# Altium PCB ATM1099C-0627-ssy-1.brd.PcbDoc (part 2 of 4) (continued)
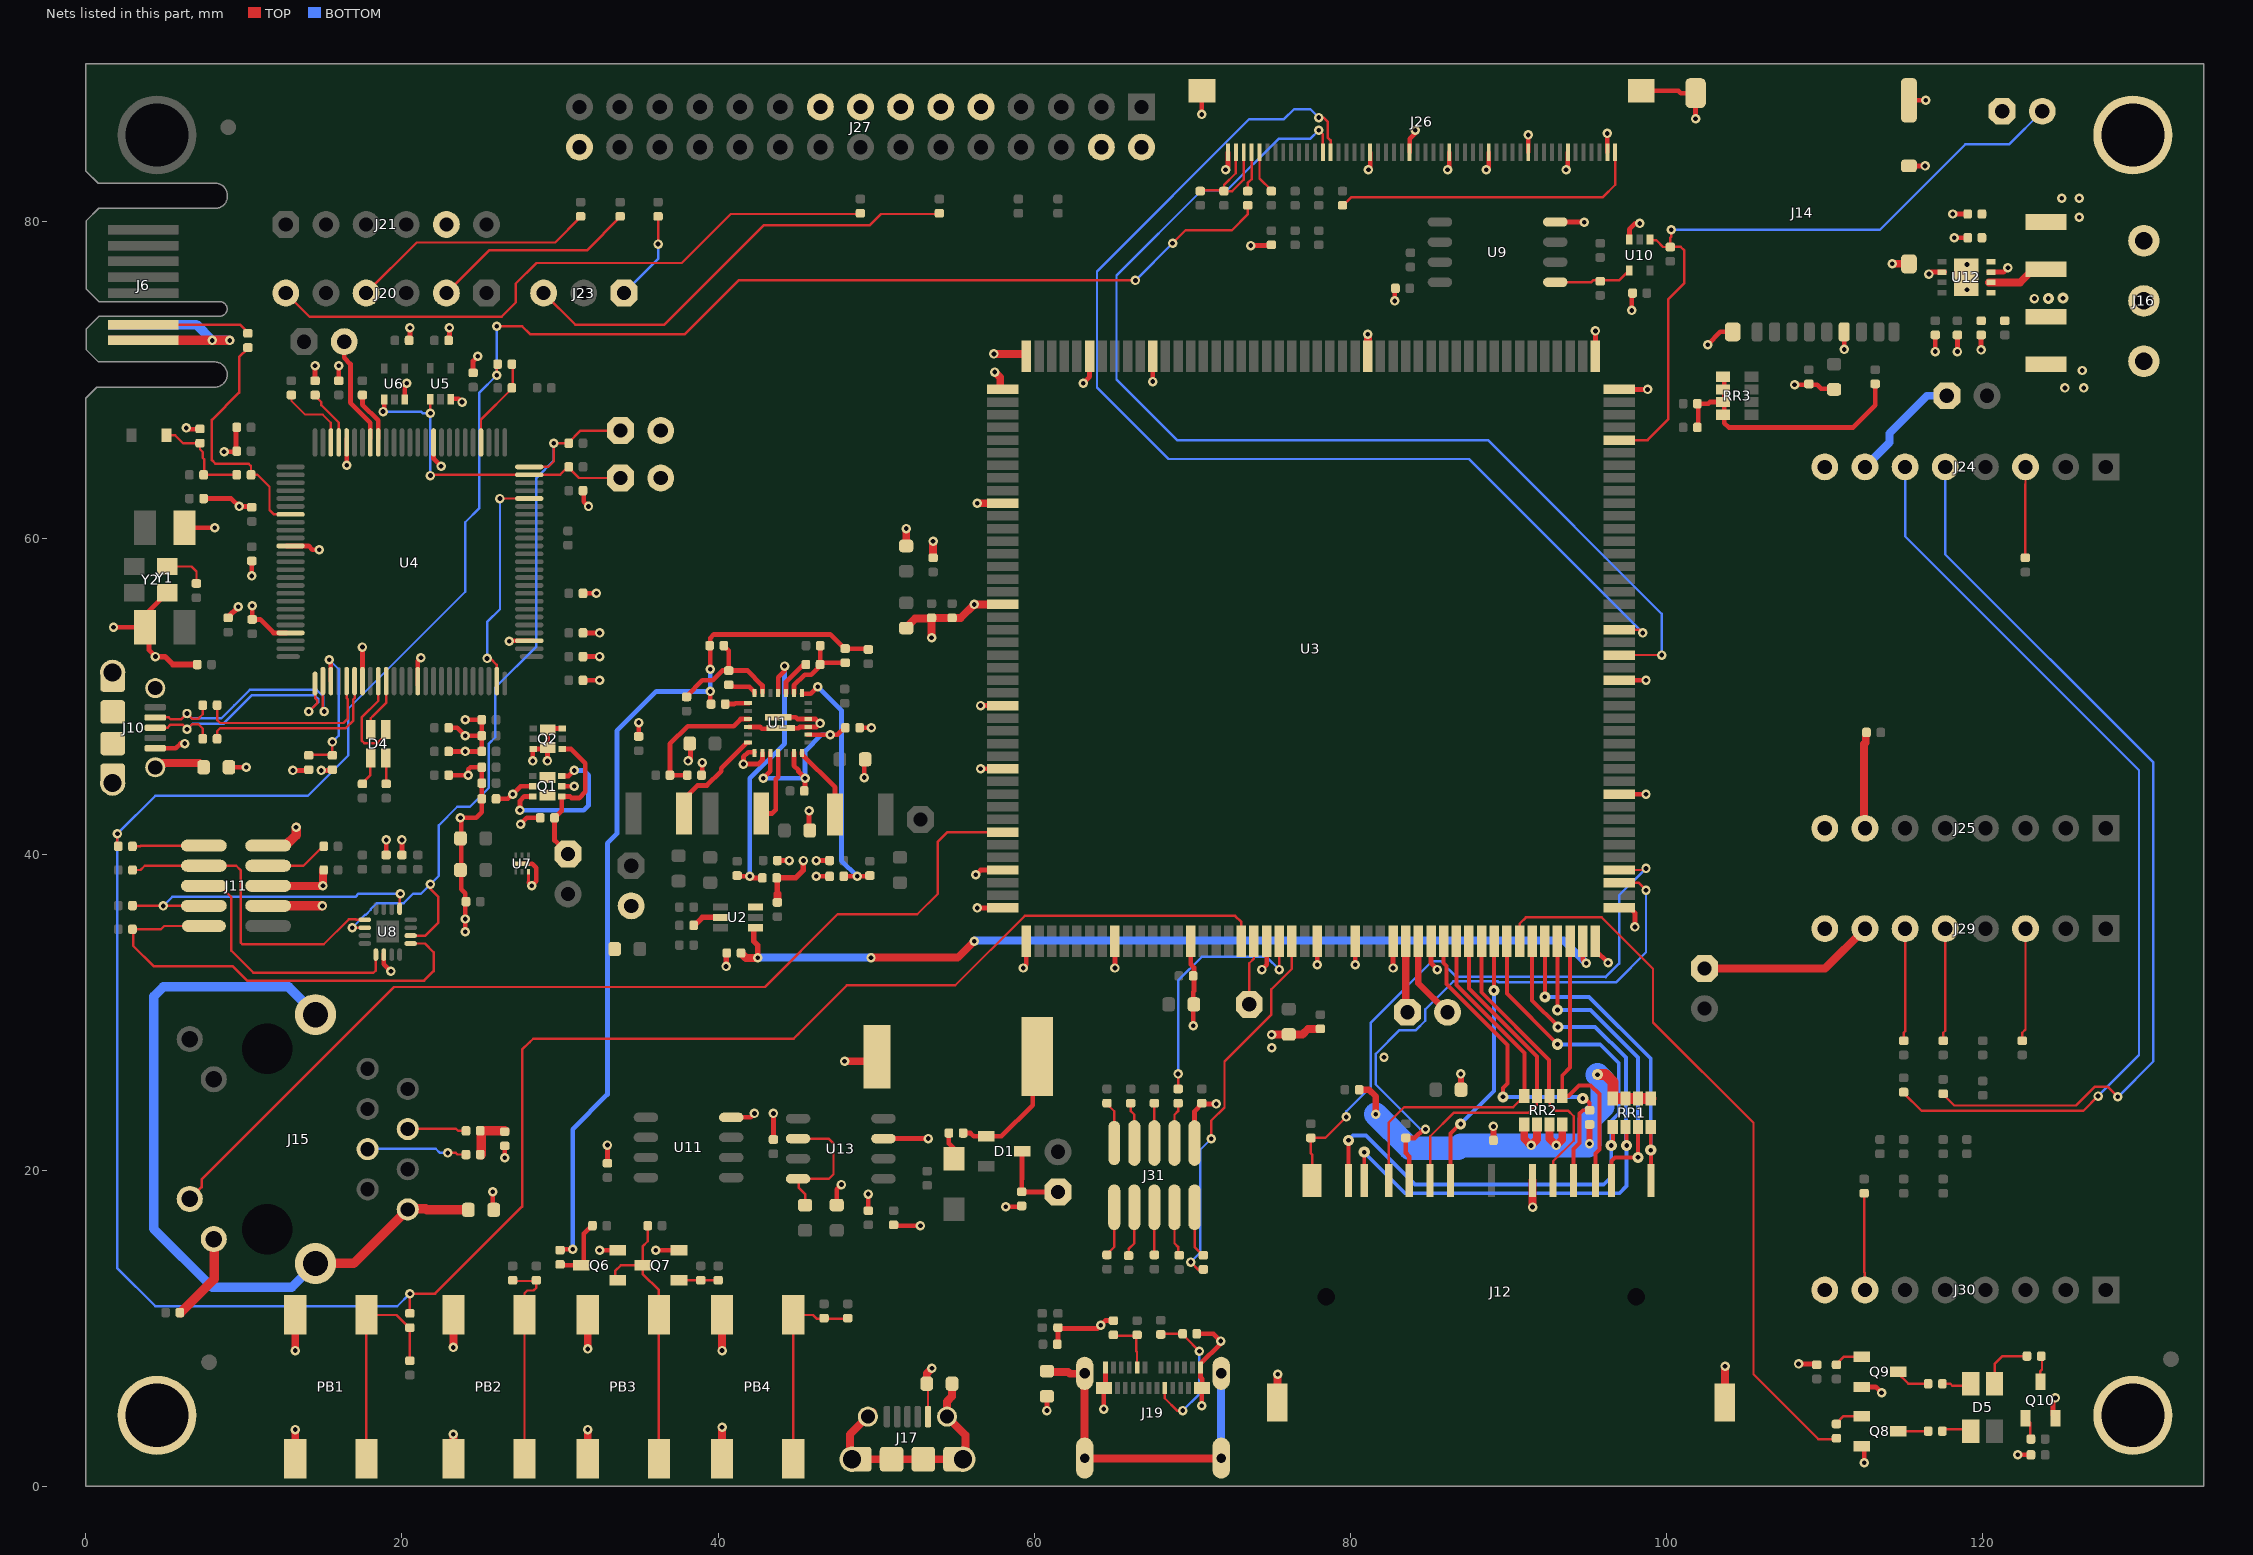
[diagram p4: the nets of this part, all layers, seen from the top]
## Part data (continued)
L1 L2 L5 L7 L9 L10 L11 L12 L13: library part IND1453, "FERRITE 180R 1.5A SMD 0603", Manufacturer 1="Murata Electronics North America", Manufacturer Part Number 1=BLM18PG181SN1D, Operating Temperature="-55C to +125C", Package=0603, Saturation Current=1.5A, Supplier Part Number 1=490-5263-1-ND, Test Frequency=100MHz, Category=Inductor, ComponentLink1Description="SVN Datasheet", ComponentLink1URL=https://chn-vm-apps.microchip.com/mchprepo/parts/Datasheets/ENFA0003.pdf, ComponentLink2Description="Local Datasheet", ComponentLink2URL=C:\ALTIUM_WORK\00001_MCHP-CDB\Datasheets\ENFA0003.pdf, ComponentLink3Description="Open Symbol", ComponentLink3URL="C:\ALTIUM_WORK\00001_MCHP-CDB\Library\LibraryRefs\Ferrite Bead.SchLib", ComponentLink4Description="Open Footprint", ComponentLink4URL=C:\ALTIUM_WORK\00001_MCHP-CDB\Library\Footprints\IND_C_0603.PcbLib, ComponentLink5Description="Open Footprint 2", ComponentLink6Description="Open Footprint 3", ComponentLink7Description="Open Footprint 4", DCR=0.09R, Description_="FERRITE 180R 1.5A SMD 0603", Dev Tools Status=Design, MCHP-ID=IND1453, Owner="Dragos Danaila", Populated=YES, Quantity Override=1, Revision=A, Status="MCL Design", Supplier 1=Digi-Key, Symbol="Ferrite Bead", Type="Ferrite Bead"
L3 L6 L8: library part IND1454, Manufacturer 1="Taiyo Yuden", Manufacturer Part Number 1=BRL3225T1R0M, Operating Temperature="-40C to +105C", Package=1210, RMS Current=2.2A, Saturation Current=2.4A, Supplier Part Number 1=587-2164-1-ND, Test Frequency=100kHz, Category=Inductor, ComponentLink1Description="SVN Datasheet", ComponentLink1URL=https://chn-vm-apps.microchip.com/mchprepo/parts/Datasheets/wound07_e.pdf, ComponentLink2Description="Local Datasheet", ComponentLink2URL=C:\ALTIUM_WORK\00001_MCHP-CDB\Datasheets\wound07_e.pdf, ComponentLink3Description="Open Symbol", ComponentLink3URL=C:\ALTIUM_WORK\00001_MCHP-CDB\Library\LibraryRefs\Inductor.SchLib, ComponentLink4Description="Open Footprint", ComponentLink4URL=C:\ALTIUM_WORK\00001_MCHP-CDB\Library\Footprints\IND_C_1210.PcbLib, ComponentLink5Description="Open Footprint 2", ComponentLink6Description="Open Footprint 3", ComponentLink7Description="Open Footprint 4", DCR=0.0516R, Description_="INDUCTOR 1uH 2.2A 20% SMD 1210", Dev Tools Status=Design, MCHP-ID=IND1454, Owner="Dragos Danaila", Populated=YES, Quantity Override=1, Revision=A, Status="MCL Design", Supplier 1=Digi-Key, Symbol=Inductor, Type=Inductor
LABEL1: library part 08-00126, Category=Label, ComponentLink1Description="SVN Datasheet", ComponentLink1URL=https://chn-vm-apps.microchip.com/mchprepo/parts/Datasheets/08-00126R6.pdf, ComponentLink2Description="Local Datasheet", ComponentLink2URL=C:\ALTIUM_WORK\00001_MCHP-CDB\Datasheets\08-00126R6.pdf, ComponentLink3Description="Open Symbol", ComponentLink3URL=C:\ALTIUM_WORK\00001_MCHP-CDB\Library\LibraryRefs\LABEL_Need_Help_Large.SchLib, ComponentLink4Description="Open Footprint", ComponentLink4URL=C:\ALTIUM_WORK\00001_MCHP-CDB\Library\Footprints\LABEL_Need_Help_Large.PcbLib, ComponentLink5Description="Open Footprint 2", ComponentLink6Description="Open Footprint 3", ComponentLink7Description="Open Footprint 4", Description_="LABEL, NEED HELP WITH ASSY/SERIAL", Dev Tools Status=Production, MCHP-ID=08-00126, Populated=MECH, Quantity Override=1, Revision=6, Status="MCL Design", Symbol=LABEL_Need_Help_Large, Type=Large
PAD1 PAD2 PAD3 PAD4: library part MISC1052, Manufacturer 1="3M                                                                               3M", Manufacturer Part Number 1=SJ61A2, Supplier Part Number 1=SJ5748-0-ND, Category=Hardware, ComponentLink1Description="SVN Datasheet", ComponentLink1URL=https://chn-vm-apps.microchip.com/mchprepo/parts/Datasheets/SJ61A2.pdf, ComponentLink2Description="Local Datasheet", ComponentLink2URL=C:\ALTIUM_WORK\00001_MCHP-CDB\Datasheets\SJ61A2.pdf, ComponentLink3Description="Open Symbol", ComponentLink3URL="C:\ALTIUM_WORK\00001_MCHP-CDB\Library\LibraryRefs\RUBBER PAD CYLINDRICAL.SchLib", ComponentLink4Description="Open Footprint", ComponentLink4URL=C:\ALTIUM_WORK\00001_MCHP-CDB\Library\Footprints\BUMP_3M_SJ61A2_CYLINDRICAL_BLACK_D9.53H5.97.PcbLib, ComponentLink5Description="Open Footprint 2", ComponentLink6Description="Open Footprint 3", ComponentLink7Description="Open Footprint 4", Description_="MECH HW RUBBER PAD CYLINDRICAL D9.53H5.97", Dev Tools Status=Production, MCHP-ID=MISC1052, Owner="Mark Loper", Populated=MECH, Quantity Override=1, Revision=1, Status="MCL Design", Supplier 1=Digi-Key, Symbol="RUBBER PAD CYLINDRICAL", Type="Rubber Pad"
PB1 PB2 PB3 PB4: library part SWITCH0003, "Switch", Current=50mA, Manufacturer 1=E-Switch, Manufacturer 4=OMRON, Manufacturer 8="Switech Electronics Co. Ltd", Manufacturer Part Number 1=TL3301NF260QG/TR, Manufacturer Part Number 2=TL3301NF260QG, Manufacturer Part Number 3=TL3301NF160QG/TR, Manufacturer Part Number 4=B3S-1000P, Manufacturer Part Number 5=B3S-1000, Manufacturer Part Number 6=B3S-1002P, Manufacturer Part Number 7=B3S-1002, Manufacturer Part Number 8=TS2A-043C-G9, Operating Temperature="-20C to +70C", Supplier Part Number 1=EG1868CT-ND, Voltage=12V, Category=Switch, ComponentLink1Description="SVN Datasheet", ComponentLink1URL=https://chn-vm-apps.microchip.com/mchprepo/parts/Datasheets/TL3301.pdf, ComponentLink2Description="Local Datasheet", ComponentLink2URL=C:\ALTIUM_WORK\00001_MCHP-CDB\Datasheets\TL3301.pdf, ComponentLink3Description="Open Symbol", ComponentLink3URL="C:\ALTIUM_WORK\00001_MCHP-CDB\Library\LibraryRefs\Switch 4 Pin.SchLib", ComponentLink4Description="Open Footprint", ComponentLink4URL=C:\ALTIUM_WORK\00001_MCHP-CDB\Library\Footprints\SW_SMD_6mmX6mm_TL3301.PcbLib, ComponentLink5Description="Open Footprint 2", ComponentLink6Description="Open Footprint 3", ComponentLink7Description="Open Footprint 4", Description_="SWITCH TACT SPST 12V 50mA TL3301NF160QG/TR SMD", Dev Tools Status=Production, Manufacturer 2=E-Switch, Manufacturer 3=E-Switch, Manufacturer 5=OMRON, Manufacturer 6=OMRON, Manufacturer 7=OMRON, MCHP-ID=SWITCH0003, Populated=Yes, Quantity Override=1, Revision=2, Status="MCL Design", Supplier 1=Digi-Key, Supplier 2=Digi-Key, Supplier 3=Digi-Key, Supplier 4=Digi-Key, Supplier 5=Digi-Key, Supplier 6=Digi-Key, Supplier 7=Digi-Key, Supplier 8=Raynen, Supplier Part Number 2=EG1868TR-ND, Supplier Part Number 3=EG1867CT-ND, Supplier Part Number 4=SW836CT-ND, Supplier Part Number 5=SW415-ND, Supplier Part Number 6=SW837CT-ND, Supplier Part Number 7=SW416-ND, Supplier Part Number 8=SWIT00025C01, Symbol="Switch 4 Pin", Type=Tactile
Q1 Q2: library part TRA1196, "Dual P-Channel MOSFET", Current=3.8A, Drain to Source Voltage=20V, Gate to Source Voltage=900mV, Manufacturer 1="Diodes Incorporated", Manufacturer Part Number 1=DMP2160UFDB-7, Operating Temperature="-55C to +150C", Package=U-DFN2020-6, Power=1.4W, Supplier Part Number 1=DMP2160UFDB-7DI-ND, Category=Transistor, ComponentLink1Description="SVN Datasheet", ComponentLink1URL=https://chn-vm-apps.microchip.com/mchprepo/parts/Datasheets/ds31643.pdf, ComponentLink2Description="Local Datasheet", ComponentLink2URL=C:\ALTIUM_WORK\00001_MCHP-CDB\Datasheets\ds31643.pdf, ComponentLink3Description="Open Symbol", ComponentLink3URL="C:\ALTIUM_WORK\00001_MCHP-CDB\Library\LibraryRefs\Transistor U-DFN2020-6-SGDSGD.SchLib", ComponentLink4Description="Open Footprint", ComponentLink4URL=C:\ALTIUM_WORK\00001_MCHP-CDB\Library\Footprints\U-DFN2020-6_2.0x2.0.PcbLib, ComponentLink5Description="Open Footprint 2", ComponentLink6Description="Open Footprint 3", ComponentLink7Description="Open Footprint 4", Description_="TRANS FET DUAL P+P DMP2160 20V 3.8A 0.07ohm@2.8A&4.5V 1.4W U-DFN2020-6", Dev Tools Status=Design, MCHP-ID=TRA1196, Owner="Dragos Danaila", Populated=YES, Quantity Override=1, Revision=1, Status="MCL Design", Supplier 1=Digi-Key, Symbol="Transistor U-DFN2020-6-SGDSGD", Voltage=20V
Q6 Q7 Q8 Q9 Q10: library part TRA1147, "Transistor MOS", Current=220mA, Drain to Source Voltage=50V, Gate to Source Voltage=1.3V, Manufacturer 1=Fairchild, Manufacturer Part Number 1=BSS138, Operating Temperature="-55C to +150C", Package=SOT-23-3, Power=360mW, Supplier Part Number 1=9845330, Category=Transistor, ComponentLink1Description="SVN Datasheet", ComponentLink1URL=https://chn-vm-apps.microchip.com/mchprepo/parts/Datasheets/2163920.pdf, ComponentLink2Description="Local Datasheet", ComponentLink2URL=C:\ALTIUM_WORK\00001_MCHP-CDB\Datasheets\2163920.pdf, ComponentLink3Description="Open Symbol", ComponentLink3URL="C:\ALTIUM_WORK\00001_MCHP-CDB\Library\LibraryRefs\Transistor MOS-N GSD.SchLib", ComponentLink4Description="Open Footprint", ComponentLink4URL=C:\ALTIUM_WORK\00001_MCHP-CDB\Library\Footprints\SOT-23-3.PcbLib, ComponentLink5Description="Open Footprint 2", ComponentLink6Description="Open Footprint 3", ComponentLink7Description="Open Footprint 4", Description_="TRANS FET N-CH BSS138 50V 220mA 360mW SOT-23", Dev Tools Status=Design, MCHP-ID=TRA1147, Owner="Razvan Cristescu", Populated=YES, Quantity Override=1, Revision=A, Status="MCL Design", Supplier 1=Farnell, Symbol="Transistor MOS-N GSD", Type=FET, Voltage=50V
R1 R8 R12 R39 R46 R47 R48 R70 R126 R129 R132: library part RES1011, Manufacturer 1=Panasonic, Manufacturer Part Number 1=ERJ-2RKF1003X, Operating Temperature="-55C to +125C", Package=0402, Power=1/10W, Supplier Part Number 1=P100KLCT-ND, Temperature Coeffcient=100ppm/C, Tolerance=1%, Voltage=50V, Category=Resistor, ComponentLink1Description="SVN Datasheet", ComponentLink1URL=https://chn-vm-apps.microchip.com/mchprepo/parts/Datasheets/AOA0000CE2.pdf, ComponentLink2Description="Local Datasheet", ComponentLink2URL=C:\ALTIUM_WORK\00001_MCHP-CDB\Datasheets\AOA0000CE2.pdf, ComponentLink3Description="Open Symbol", ComponentLink3URL=C:\ALTIUM_WORK\00001_MCHP-CDB\Library\LibraryRefs\Resistor.SchLib, ComponentLink4Description="Open Footprint", ComponentLink4URL=C:\ALTIUM_WORK\00001_MCHP-CDB\Library\Footprints\RES_C_0402.PcbLib, ComponentLink5Description="Open Footprint 2", ComponentLink6Description="Open Footprint 3", ComponentLink7Description="Open Footprint 4", Composition=TKF, Description_="RES TKF 100k 1% 1/10W SMD 0402", Dev Tools Status=Production, MCHP-ID=RES1011, Owner="Tad Ahlvers", Quantity Override=1, Revision=1, Status="MCL Design", Supplier 1=Digi-Key, Symbol=Resistor, Type="RES SMD"
  R1 R8 R39 R46 R47 R48 R70 R129 R132: Populated=YES
  R12 R126: Populated=DNP
R2 R11: library part RSMT1207, Manufacturer 1="Vishay Dale", Manufacturer Part Number 1=CRCW0402309KFKED, Operating Temperature="-55C to +155C", Package=0402, Power=1/16W, Supplier Part Number 1=541-309KLDKR-ND, Temperature Coeffcient=100ppm/C, Tolerance=1%, Voltage=50V, Category=Resistor, ComponentLink1Description="SVN Datasheet", ComponentLink1URL=https://chn-vm-apps.microchip.com/mchprepo/parts/Datasheets/dcrcwe3.pdf, ComponentLink2Description="Local Datasheet", ComponentLink2URL=C:\ALTIUM_WORK\00001_MCHP-CDB\Datasheets\dcrcwe3.pdf, ComponentLink3Description="Open Symbol", ComponentLink3URL=C:\ALTIUM_WORK\00001_MCHP-CDB\Library\LibraryRefs\Resistor.SchLib, ComponentLink4Description="Open Footprint", ComponentLink4URL=C:\ALTIUM_WORK\00001_MCHP-CDB\Library\Footprints\RES_C_0402.PcbLib, ComponentLink5Description="Open Footprint 2", ComponentLink6Description="Open Footprint 3", ComponentLink7Description="Open Footprint 4", Composition=TKF, Description_="RES TKF 309k 1% 1/16W SMD 0402", Dev Tools Status=Design, MCHP-ID=RSMT1207, Owner="Dragos Danaila", Populated=YES, Quantity Override=1, Revision=A, Status="MCL Design", Supplier 1=Digi-Key, Symbol=Resistor, Type="RES SMD"
R3 R7 R10 R13 R15 R16 R18 R26 R28 R32 R34 R38 R53 R54 R56 R57 R58 R59 R60 R62 R63 R77 R120 R121 R127 R128 R133 R137 R138: library part RSMT0439, Manufacturer 1=Vishay, Manufacturer 2=Yageo, Manufacturer Part Number 1=CRCW040210K0JNED, Manufacturer Part Number 2=RC0402JR-0710KL, Operating Temperature="-55C to +155C", Package=0402, Power=1/16W, Supplier Part Number 1=541-10KJCT-ND, Temperature Coeffcient=100ppm/C, Tolerance=5%, Voltage=50V, Category=Resistor, ComponentLink1Description="SVN Datasheet", ComponentLink1URL=https://chn-vm-apps.microchip.com/mchprepo/parts/Datasheets/PYu-RC0402_51_RoHS_L_6.pdf, ComponentLink2Description="Local Datasheet", ComponentLink2URL=C:\ALTIUM_WORK\00001_MCHP-CDB\Datasheets\PYu-RC0402_51_RoHS_L_6.pdf, ComponentLink3Description="Open Symbol", ComponentLink3URL=C:\ALTIUM_WORK\00001_MCHP-CDB\Library\LibraryRefs\Resistor.SchLib, ComponentLink4Description="Open Footprint", ComponentLink4URL=C:\ALTIUM_WORK\00001_MCHP-CDB\Library\Footprints\RES_C_0402.PcbLib, ComponentLink5Description="Open Footprint 2", ComponentLink6Description="Open Footprint 3", ComponentLink7Description="Open Footprint 4", Composition=TKF, Description_="RES TKF 10k 5% 1/16W SMD 0402", Dev Tools Status=Production, MCHP-ID=RSMT0439, Quantity Override=1, Revision=1, Status="MCL Design", Supplier 1=Digi-Key, Supplier 2=Digi-Key, Supplier Part Number 2=311-10KJRCT-ND, Symbol=Resistor, Type="RES SMD"
  R3 R10 R13 R16 R18 R26 R28 R32 R34 R38 R53 R54 R56 R57 R58 R59 R60 R62 R63 R77 R120 R121 R127 R128 R133 R137 R138: Populated=Yes
  R7 R15: Populated=DNP
R4 R20 R23 R24 R30 R31 R35 R51 R72 R73 R119 R134 R135 R136: library part RSMT1038, Manufacturer 1=Yageo, Manufacturer Part Number 1=RC0402JR-07100RL, Operating Temperature="-55C to +155C", Package=0402, Power=1/16W, Supplier Part Number 1=311-100JRCT-ND, Temperature Coeffcient=100ppm/C, Tolerance=5%, Voltage=50V, Category=Resistor, ComponentLink1Description="SVN Datasheet", ComponentLink1URL=https://chn-vm-apps.microchip.com/mchprepo/parts/Datasheets/PYu-RC0402_51_RoHS_L_6.pdf, ComponentLink2Description="Local Datasheet", ComponentLink2URL=C:\ALTIUM_WORK\00001_MCHP-CDB\Datasheets\PYu-RC0402_51_RoHS_L_6.pdf, ComponentLink3Description="Open Symbol", ComponentLink3URL=C:\ALTIUM_WORK\00001_MCHP-CDB\Library\LibraryRefs\Resistor.SchLib, ComponentLink4Description="Open Footprint", ComponentLink4URL=C:\ALTIUM_WORK\00001_MCHP-CDB\Library\Footprints\RES_C_0402.PcbLib, ComponentLink5Description="Open Footprint 2", ComponentLink6Description="Open Footprint 3", ComponentLink7Description="Open Footprint 4", Composition=TKF, Description_="RES TKF 100R 5% 1/16W SMD 0402", Dev Tools Status=Production, MCHP-ID=RSMT1038, Owner="Sompoch Loboonlert", Quantity Override=1, Revision=2, Status="MCL Design", Supplier 1=Digi-Key, Symbol=Resistor, Type="RES SMD"
  R4 R20 R23 R24 R30 R31 R35 R51 R73 R119 R134 R135 R136: Populated=Yes
  R72: Populated=DNP
R5 R14: library part RSMT1208, Manufacturer 1="Vishay Dale", Manufacturer Part Number 1=CRCW040271K5FKED, Operating Temperature="-55C to +155C", Package=0402, Power=1/16W, Supplier Part Number 1=541-71.5KLTR-ND, Temperature Coeffcient=100ppm/C, Tolerance=1%, Voltage=50V, Category=Resistor, ComponentLink1Description="SVN Datasheet", ComponentLink1URL=https://chn-vm-apps.microchip.com/mchprepo/parts/Datasheets/dcrcwe3.pdf, ComponentLink2Description="Local Datasheet", ComponentLink2URL=C:\ALTIUM_WORK\00001_MCHP-CDB\Datasheets\dcrcwe3.pdf, ComponentLink3Description="Open Symbol", ComponentLink3URL=C:\ALTIUM_WORK\00001_MCHP-CDB\Library\LibraryRefs\Resistor.SchLib, ComponentLink4Description="Open Footprint", ComponentLink4URL=C:\ALTIUM_WORK\00001_MCHP-CDB\Library\Footprints\RES_C_0402.PcbLib, ComponentLink5Description="Open Footprint 2", ComponentLink6Description="Open Footprint 3", ComponentLink7Description="Open Footprint 4", Composition=TKF, Description_="RES TKF 71.5k 1% 1/16W SMD 0402", Dev Tools Status=Design, MCHP-ID=RSMT1208, Owner="Dragos Danaila", Populated=YES, Quantity Override=1, Revision=A, Status="MCL Design", Supplier 1=Digi-Key, Symbol=Resistor, Type="RES SMD"
R6: library part RSMT1209, Manufacturer 1="Vishay Dale", Manufacturer Part Number 1=CRCW0402301KFKED, Operating Temperature="-55C to +155C", Package=0402, Power=1/16W, Supplier Part Number 1=541-301KLDKR-ND, Temperature Coeffcient=100ppm/C, Tolerance=1%, Voltage=50, Category=Resistor, ComponentLink1Description="SVN Datasheet", ComponentLink1URL=https://chn-vm-apps.microchip.com/mchprepo/parts/Datasheets/dcrcwe3.pdf, ComponentLink2Description="Local Datasheet", ComponentLink2URL=C:\ALTIUM_WORK\00001_MCHP-CDB\Datasheets\dcrcwe3.pdf, ComponentLink3Description="Open Symbol", ComponentLink3URL=C:\ALTIUM_WORK\00001_MCHP-CDB\Library\LibraryRefs\Resistor.SchLib, ComponentLink4Description="Open Footprint", ComponentLink4URL=C:\ALTIUM_WORK\00001_MCHP-CDB\Library\Footprints\RES_C_0402.PcbLib, ComponentLink5Description="Open Footprint 2", ComponentLink6Description="Open Footprint 3", ComponentLink7Description="Open Footprint 4", Composition=TKF, Description_="RES TKF 301k 1% 1/16W SMD 0402", Dev Tools Status=Design, MCHP-ID=RSMT1209, Owner="Dragos Danaila", Populated=YES, Quantity Override=1, Revision=A, Status="MCL Design", Supplier 1=Digi-Key, Symbol=Resistor, Type="RES SMD"
R9: library part RSMT1210, Manufacturer 1="Vishay Dale", Manufacturer Part Number 1=CRCW0402158KFKED, Operating Temperature="-55C to +155C", Package=0402, Power=1/16W, Supplier Part Number 1=541-158KLCT-ND, Temperature Coeffcient=100ppm/C, Tolerance=1%, Voltage=50V, Category=Resistor, ComponentLink1Description="SVN Datasheet", ComponentLink1URL=https://chn-vm-apps.microchip.com/mchprepo/parts/Datasheets/dcrcwe3.pdf, ComponentLink2Description="Local Datasheet", ComponentLink2URL=C:\ALTIUM_WORK\00001_MCHP-CDB\Datasheets\dcrcwe3.pdf, ComponentLink3Description="Open Symbol", ComponentLink3URL=C:\ALTIUM_WORK\00001_MCHP-CDB\Library\LibraryRefs\Resistor.SchLib, ComponentLink4Description="Open Footprint", ComponentLink4URL=C:\ALTIUM_WORK\00001_MCHP-CDB\Library\Footprints\RES_C_0402.PcbLib, ComponentLink5Description="Open Footprint 2", ComponentLink6Description="Open Footprint 3", ComponentLink7Description="Open Footprint 4", Composition=TKF, Description_="RES TKF 158k 1% 1/16W SMD 0402", Dev Tools Status=Design, MCHP-ID=RSMT1210, Owner="Dragos Danaila", Populated=YES, Quantity Override=1, Revision=A, Status="MCL Design", Supplier 1=Digi-Key, Symbol=Resistor, Type="RES SMD"
R17 R19 R21 R22 R25 R29 R36 R50 R52 R61 R64 R65 R68 R80 R81 R83 R85 R109 R115 R117 R118 R130 R131 R139: library part RSMT0730, Manufacturer 1=Panasonic, Manufacturer 2=Vishay, Manufacturer Part Number 1=ERJ-2GE0R00X, Manufacturer Part Number 2=CRCW04020000Z0ED, Operating Temperature="-55C to +155C", Package=0402, Power=1/10W, Supplier Part Number 1=P0.0JCT-ND, Category=Resistor, ComponentLink1Description="SVN Datasheet", ComponentLink1URL=https://chn-vm-apps.microchip.com/mchprepo/parts/Datasheets/AOA0000CE1.pdf, ComponentLink2Description="Local Datasheet", ComponentLink2URL=C:\ALTIUM_WORK\00001_MCHP-CDB\Datasheets\AOA0000CE1.pdf, ComponentLink3Description="Open Symbol", ComponentLink3URL=C:\ALTIUM_WORK\00001_MCHP-CDB\Library\LibraryRefs\Resistor.SchLib, ComponentLink4Description="Open Footprint", ComponentLink4URL=C:\ALTIUM_WORK\00001_MCHP-CDB\Library\Footprints\RES_C_0402.PcbLib, ComponentLink5Description="Open Footprint 2", ComponentLink6Description="Open Footprint 3", ComponentLink7Description="Open Footprint 4", Composition=TKF, Description_="RES TKF 0R SMD 0402", Dev Tools Status=Production, MCHP-ID=RSMT0730, Quantity Override=1, Revision=2, Status="MCL Design", Supplier 1=Digi-Key, Supplier 2=Digi-Key, Supplier Part Number 2=541-0.0JTR-ND, Symbol=Resistor, Type="RES SMD"
  R17 R19 R21 R22 R36 R50 R80 R81 R109 R131: Populated=DNP
  R25 R29 R52 R61 R64 R65 R68 R83 R85 R115 R117 R118 R130 R139: Populated=Yes
R27 R40 R41 R82 R98 R100: library part RES1800, Manufacturer 1=Yageo, Manufacturer 2=Digi-Key, Manufacturer Part Number 1=RC0402FR-0739RL, Manufacturer Part Number 2=311-39.0LRCT-ND, Operating Temperature="-55°C ~ 155°C", Package=0402, Power=1/16W, Tolerance=1%, Category=Resistor, Circuit Type=Single, ComponentLink1Description="SVN Datasheet", ComponentLink1URL=https://chn-vm-apps.microchip.com/mchprepo/parts/Datasheets/PYu-R_INT-thick_7.pdf, ComponentLink2Description="Local Datasheet", ComponentLink2URL=C:\ALTIUM_WORK\00001_MCHP-CDB\Datasheets\PYu-R_INT-thick_7.pdf, ComponentLink3Description="Open Symbol", ComponentLink3URL=C:\ALTIUM_WORK\00001_MCHP-CDB\Library\LibraryRefs\Resistor.SchLib, ComponentLink4Description="Open Footprint", ComponentLink4URL=C:\ALTIUM_WORK\00001_MCHP-CDB\Library\Footprints\RES_C_0402.PcbLib, ComponentLink5Description="Open Footprint 2", ComponentLink6Description="Open Footprint 3", ComponentLink7Description="Open Footprint 4", Composition=TKF, Description_="RES TKF 39R 1% 1/16W SMD 0402", Dev Tools Status=Design, MCHP-ID=RES1800, Owner="Sompoch Loboonlert", Populated=YES, Quantity Override=1, Revision=B, Status="MCL Design", Supplier 1=Yageo, Supplier 2=Digi-Key, Supplier Part Number 1=RC0402FR-0739RL, Supplier Part Number 2=311-39.0LRCT-ND, Symbol=Resistor, Type="RES SMD"
R33 R44 R45 R49: library part RSMT1167, Manufacturer 1="Vishay Dale", Manufacturer Part Number 1=CRCW0402150RFKED, Supplier Part Number 1=541-150LCT-ND, Category=Resistor, ComponentLink1Description="SVN Datasheet", ComponentLink1URL=https://chn-vm-apps.microchip.com/mchprepo/parts/Datasheets/dcrcwe3.pdf, ComponentLink2Description="Local Datasheet", ComponentLink2URL=C:\ALTIUM_WORK\00001_MCHP-CDB\Datasheets\dcrcwe3.pdf, ComponentLink3Description="Open Symbol", ComponentLink3URL=C:\ALTIUM_WORK\00001_MCHP-CDB\Library\LibraryRefs\Resistor.SchLib, ComponentLink4Description="Open Footprint", ComponentLink4URL=C:\ALTIUM_WORK\00001_MCHP-CDB\Library\Footprints\RES_C_0402.PcbLib, ComponentLink5Description="Open Footprint 2", ComponentLink6Description="Open Footprint 3", ComponentLink7Description="Open Footprint 4", Description_="RES TKF 150R 1% 1/16W MF 0402", Dev Tools Status=Production, MCHP-ID=RSMT1167, Owner="Jamus Griego", Populated=YES, Quantity Override=1, Revision=1, Status="MCL Design", Supplier 1=Digi-Key, Symbol=Resistor, Type="RES SMD"
R37: library part RSMT1211, Manufacturer 1="Vishay Dale", Manufacturer Part Number 1=CRCW04026K80FKED, Operating Temperature="-55C to +155C", Package=0402, Power=1/16W, Supplier Part Number 1=541-6.80KLCT-ND, Temperature Coeffcient=100ppm/C, Tolerance=1%, Voltage=50V, Category=Resistor, ComponentLink1Description="SVN Datasheet", ComponentLink1URL=https://chn-vm-apps.microchip.com/mchprepo/parts/Datasheets/dcrcwe3.pdf, ComponentLink2Description="Local Datasheet", ComponentLink2URL=C:\ALTIUM_WORK\00001_MCHP-CDB\Datasheets\dcrcwe3.pdf, ComponentLink3Description="Open Symbol", ComponentLink3URL=C:\ALTIUM_WORK\00001_MCHP-CDB\Library\LibraryRefs\Resistor.SchLib, ComponentLink4Description="Open Footprint", ComponentLink4URL=C:\ALTIUM_WORK\00001_MCHP-CDB\Library\Footprints\RES_C_0402.PcbLib, ComponentLink5Description="Open Footprint 2", ComponentLink6Description="Open Footprint 3", ComponentLink7Description="Open Footprint 4", Composition=TKF, Description_="RES TKF 6.8k 1% 1/16W SMD 0402", Dev Tools Status=Design, MCHP-ID=RSMT1211, Owner="Dragos Danaila", Populated=YES, Quantity Override=1, Revision=A, Status="MCL Design", Supplier 1=Digi-Key, Symbol=Resistor, Type="RES SMD"
R42 R43: library part RES1008, Manufacturer 1="Panasonic - ECG", Manufacturer Part Number 1=ERJ-2GEJ221X, Operating Temperature="-55C to +155C", Package=0402, Power=1/10W, Supplier Part Number 1=P220JTR-ND, Temperature Coeffcient=200ppm/C, Tolerance=5%, Voltage=50V, Category=Resistor, ComponentLink1Description="SVN Datasheet", ComponentLink1URL=https://chn-vm-apps.microchip.com/mchprepo/parts/Datasheets/AOA0000CE1.pdf, ComponentLink2Description="Local Datasheet", ComponentLink2URL=C:\ALTIUM_WORK\00001_MCHP-CDB\Datasheets\AOA0000CE1.pdf, ComponentLink3Description="Open Symbol", ComponentLink3URL=C:\ALTIUM_WORK\00001_MCHP-CDB\Library\LibraryRefs\Resistor.SchLib, ComponentLink4Description="Open Footprint", ComponentLink4URL=C:\ALTIUM_WORK\00001_MCHP-CDB\Library\Footprints\RES_C_0402.PcbLib, ComponentLink5Description="Open Footprint 2", ComponentLink6Description="Open Footprint 3", ComponentLink7Description="Open Footprint 4", Composition=TKF, Description_="RES TKF 220R 5% 1/10W SMD 0402", Dev Tools Status=Production, MCHP-ID=RES1008, Owner="Tad Ahlvers", Populated=YES, Quantity Override=1, Revision=0, Status="MCL Design", Supplier 1=Digi-Key, Symbol=Resistor, Type="RES SMD"
R66 R67: library part RSMT1214, Manufacturer 1="Panasonic Electronic Components", Manufacturer Part Number 1=ERJ-U14F62R0U, Operating Temperature="-55C to +155C", Package=1210, Power=1/2W, Supplier Part Number 1=667-ERJ-U14F62R0U, Temperature Coeffcient=100ppm/C, Tolerance=1%, Voltage=200V, Category=Resistor, ComponentLink1Description="SVN Datasheet", ComponentLink1URL=https://chn-vm-apps.microchip.com/mchprepo/parts/Datasheets/Panasonic_resistors_ERJU_ERJS.pdf, ComponentLink2Description="Local Datasheet", ComponentLink2URL=C:\ALTIUM_WORK\00001_MCHP-CDB\Datasheets\Panasonic_resistors_ERJU_ERJS.pdf, ComponentLink3Description="Open Symbol", ComponentLink3URL=C:\ALTIUM_WORK\00001_MCHP-CDB\Library\LibraryRefs\Resistor.SchLib, ComponentLink4Description="Open Footprint", ComponentLink4URL=C:\ALTIUM_WORK\00001_MCHP-CDB\Library\Footprints\RES_C_1210.PcbLib, ComponentLink5Description="Open Footprint 2", ComponentLink6Description="Open Footprint 3", ComponentLink7Description="Open Footprint 4", Composition=TKF, Description_="RES TKF 62R 1% 1/2W SMD 1210", Dev Tools Status=Design, MCHP-ID=RSMT1214, Owner="Dragos Danaila", Populated=YES, Quantity Override=1, Revision=1, Status="MCL Design", Supplier 1=Mouser, Symbol=Resistor, Type="RES SMD"
R69: library part RSMT1037, Manufacturer 1=Yageo, Manufacturer Part Number 1=RC0402JR-07470RL, Operating Temperature="-55C to +155C", Package=0402, Power=1/16W, Supplier Part Number 1=311-470JRCT-ND, Temperature Coeffcient=100ppm/C, Tolerance=5%, Voltage=50V, Category=Resistor, ComponentLink1Description="SVN Datasheet", ComponentLink1URL=https://chn-vm-apps.microchip.com/mchprepo/parts/Datasheets/PYu-RC0402_51_RoHS_L_6.pdf, ComponentLink2Description="Local Datasheet", ComponentLink2URL=C:\ALTIUM_WORK\00001_MCHP-CDB\Datasheets\PYu-RC0402_51_RoHS_L_6.pdf, ComponentLink3Description="Open Symbol", ComponentLink3URL=C:\ALTIUM_WORK\00001_MCHP-CDB\Library\LibraryRefs\Resistor.SchLib, ComponentLink4Description="Open Footprint", ComponentLink4URL=C:\ALTIUM_WORK\00001_MCHP-CDB\Library\Footprints\RES_C_0402.PcbLib, ComponentLink5Description="Open Footprint 2", ComponentLink6Description="Open Footprint 3", ComponentLink7Description="Open Footprint 4", Composition=TKF, Description_="RES TKF 470R 5% 1/16W SMD 0402", Dev Tools Status=Production, MCHP-ID=RSMT1037, Owner="Sompoch Loboonlert", Populated=Yes, Quantity Override=1, Revision=2, Status="MCL Design", Supplier 1=Digi-Key, Symbol=Resistor, Type="RES SMD"
R71: library part RES1424, Manufacturer 1=Panasonic, Manufacturer Part Number 1=ERJ-2RKF2003X, Operating Temperature="-55C to +125C", Package=0402, Power=1/10W, Supplier Part Number 1=P200KLCT-ND, Temperature Coeffcient=100ppm/C, Tolerance=1%, Voltage=50V, Category=Resistor, ComponentLink1Description="SVN Datasheet", ComponentLink1URL=https://chn-vm-apps.microchip.com/mchprepo/parts/Datasheets/AOA0000CE2.pdf, ComponentLink2Description="Local Datasheet", ComponentLink2URL=C:\ALTIUM_WORK\00001_MCHP-CDB\Datasheets\AOA0000CE2.pdf, ComponentLink3Description="Open Symbol", ComponentLink3URL=C:\ALTIUM_WORK\00001_MCHP-CDB\Library\LibraryRefs\RESISTOR.SchLib, ComponentLink4Description="Open Footprint", ComponentLink4URL=C:\ALTIUM_WORK\00001_MCHP-CDB\Library\Footprints\RES_C_0402.PcbLib, ComponentLink5Description="Open Footprint 2", ComponentLink6Description="Open Footprint 3", ComponentLink7Description="Open Footprint 4", Composition=TKF, Description_="RES TKF 200k 1% 1/10W SMD 0402", Dev Tools Status=Production, MCHP-ID=RES1424, Owner="Tad Ahlvers", Populated=YES, Quantity Override=1, Revision=1, Status="MCL Design", Supplier 1=Digi-Key, Symbol=RESISTOR, Type="RES SMD"
R74 R75 R89 R90 R92 R93: library part RES1020, Manufacturer 1="Vishay Dale", Manufacturer Part Number 1=CRCW04022K20JNED, Operating Temperature="-55C to +155C", Package=0402, Power=1/16W, Supplier Part Number 1=541-2.2KJCT-ND, Temperature Coeffcient=200ppm/C, Tolerance=5%, Voltage=50V, Category=Resistor, ComponentLink1Description="SVN Datasheet", ComponentLink1URL=https://chn-vm-apps.microchip.com/mchprepo/parts/Datasheets/dcrcwe3.pdf, ComponentLink2Description="Local Datasheet", ComponentLink2URL=C:\ALTIUM_WORK\00001_MCHP-CDB\Datasheets\dcrcwe3.pdf, ComponentLink3Description="Open Symbol", ComponentLink3URL=C:\ALTIUM_WORK\00001_MCHP-CDB\Library\LibraryRefs\Resistor.SchLib, ComponentLink4Description="Open Footprint", ComponentLink4URL=C:\ALTIUM_WORK\00001_MCHP-CDB\Library\Footprints\RES_C_0402.PcbLib, ComponentLink5Description="Open Footprint 2", ComponentLink6Description="Open Footprint 3", ComponentLink7Description="Open Footprint 4", Composition=TKF, Description_="RES TKF 2.2k 5% 1/16W SMD 0402", Dev Tools Status=Production, MCHP-ID=RES1020, Owner="Tad Ahlvers", Populated=YES, Quantity Override=1, Revision=1, Status="MCL Design", Supplier 1=Digi-Key, Symbol=Resistor, Type="RES SMD"
R76: library part RSMT0316, Manufacturer 1=Panasonic, Manufacturer Part Number 1=ERJ-2GEJ102X, Operating Temperature="-55C to +155C", Package=0402, Power=1/16W, Supplier Part Number 1=P1.0KJCT-ND, Temperature Coeffcient=200ppm/C, Tolerance=5%, Voltage=50V, Category=Resistor, ComponentLink1Description="SVN Datasheet", ComponentLink1URL=https://chn-vm-apps.microchip.com/mchprepo/parts/Datasheets/AOA0000CE1.pdf, ComponentLink2Description="Local Datasheet", ComponentLink2URL=C:\ALTIUM_WORK\00001_MCHP-CDB\Datasheets\AOA0000CE1.pdf, ComponentLink3Description="Open Symbol", ComponentLink3URL=C:\ALTIUM_WORK\00001_MCHP-CDB\Library\LibraryRefs\Resistor.SchLib, ComponentLink4Description="Open Footprint", ComponentLink4URL=C:\ALTIUM_WORK\00001_MCHP-CDB\Library\Footprints\RES_C_0402.PcbLib, ComponentLink5Description="Open Footprint 2", ComponentLink6Description="Open Footprint 3", ComponentLink7Description="Open Footprint 4", Composition=TKF, Description_="RES TKF 1k 5% 1/16W SMD 0402", Dev Tools Status=Production, MCHP-ID=RSMT0316, Owner="Tad Ahlvers", Populated=YES, Quantity Override=1, Revision=1, Status="MCL Design", Supplier 1=Digi-Key, Symbol=Resistor, Type="RES SMD"